# Altium PCB PCB_CAR.PcbDoc (part 1 of 3) (continued)
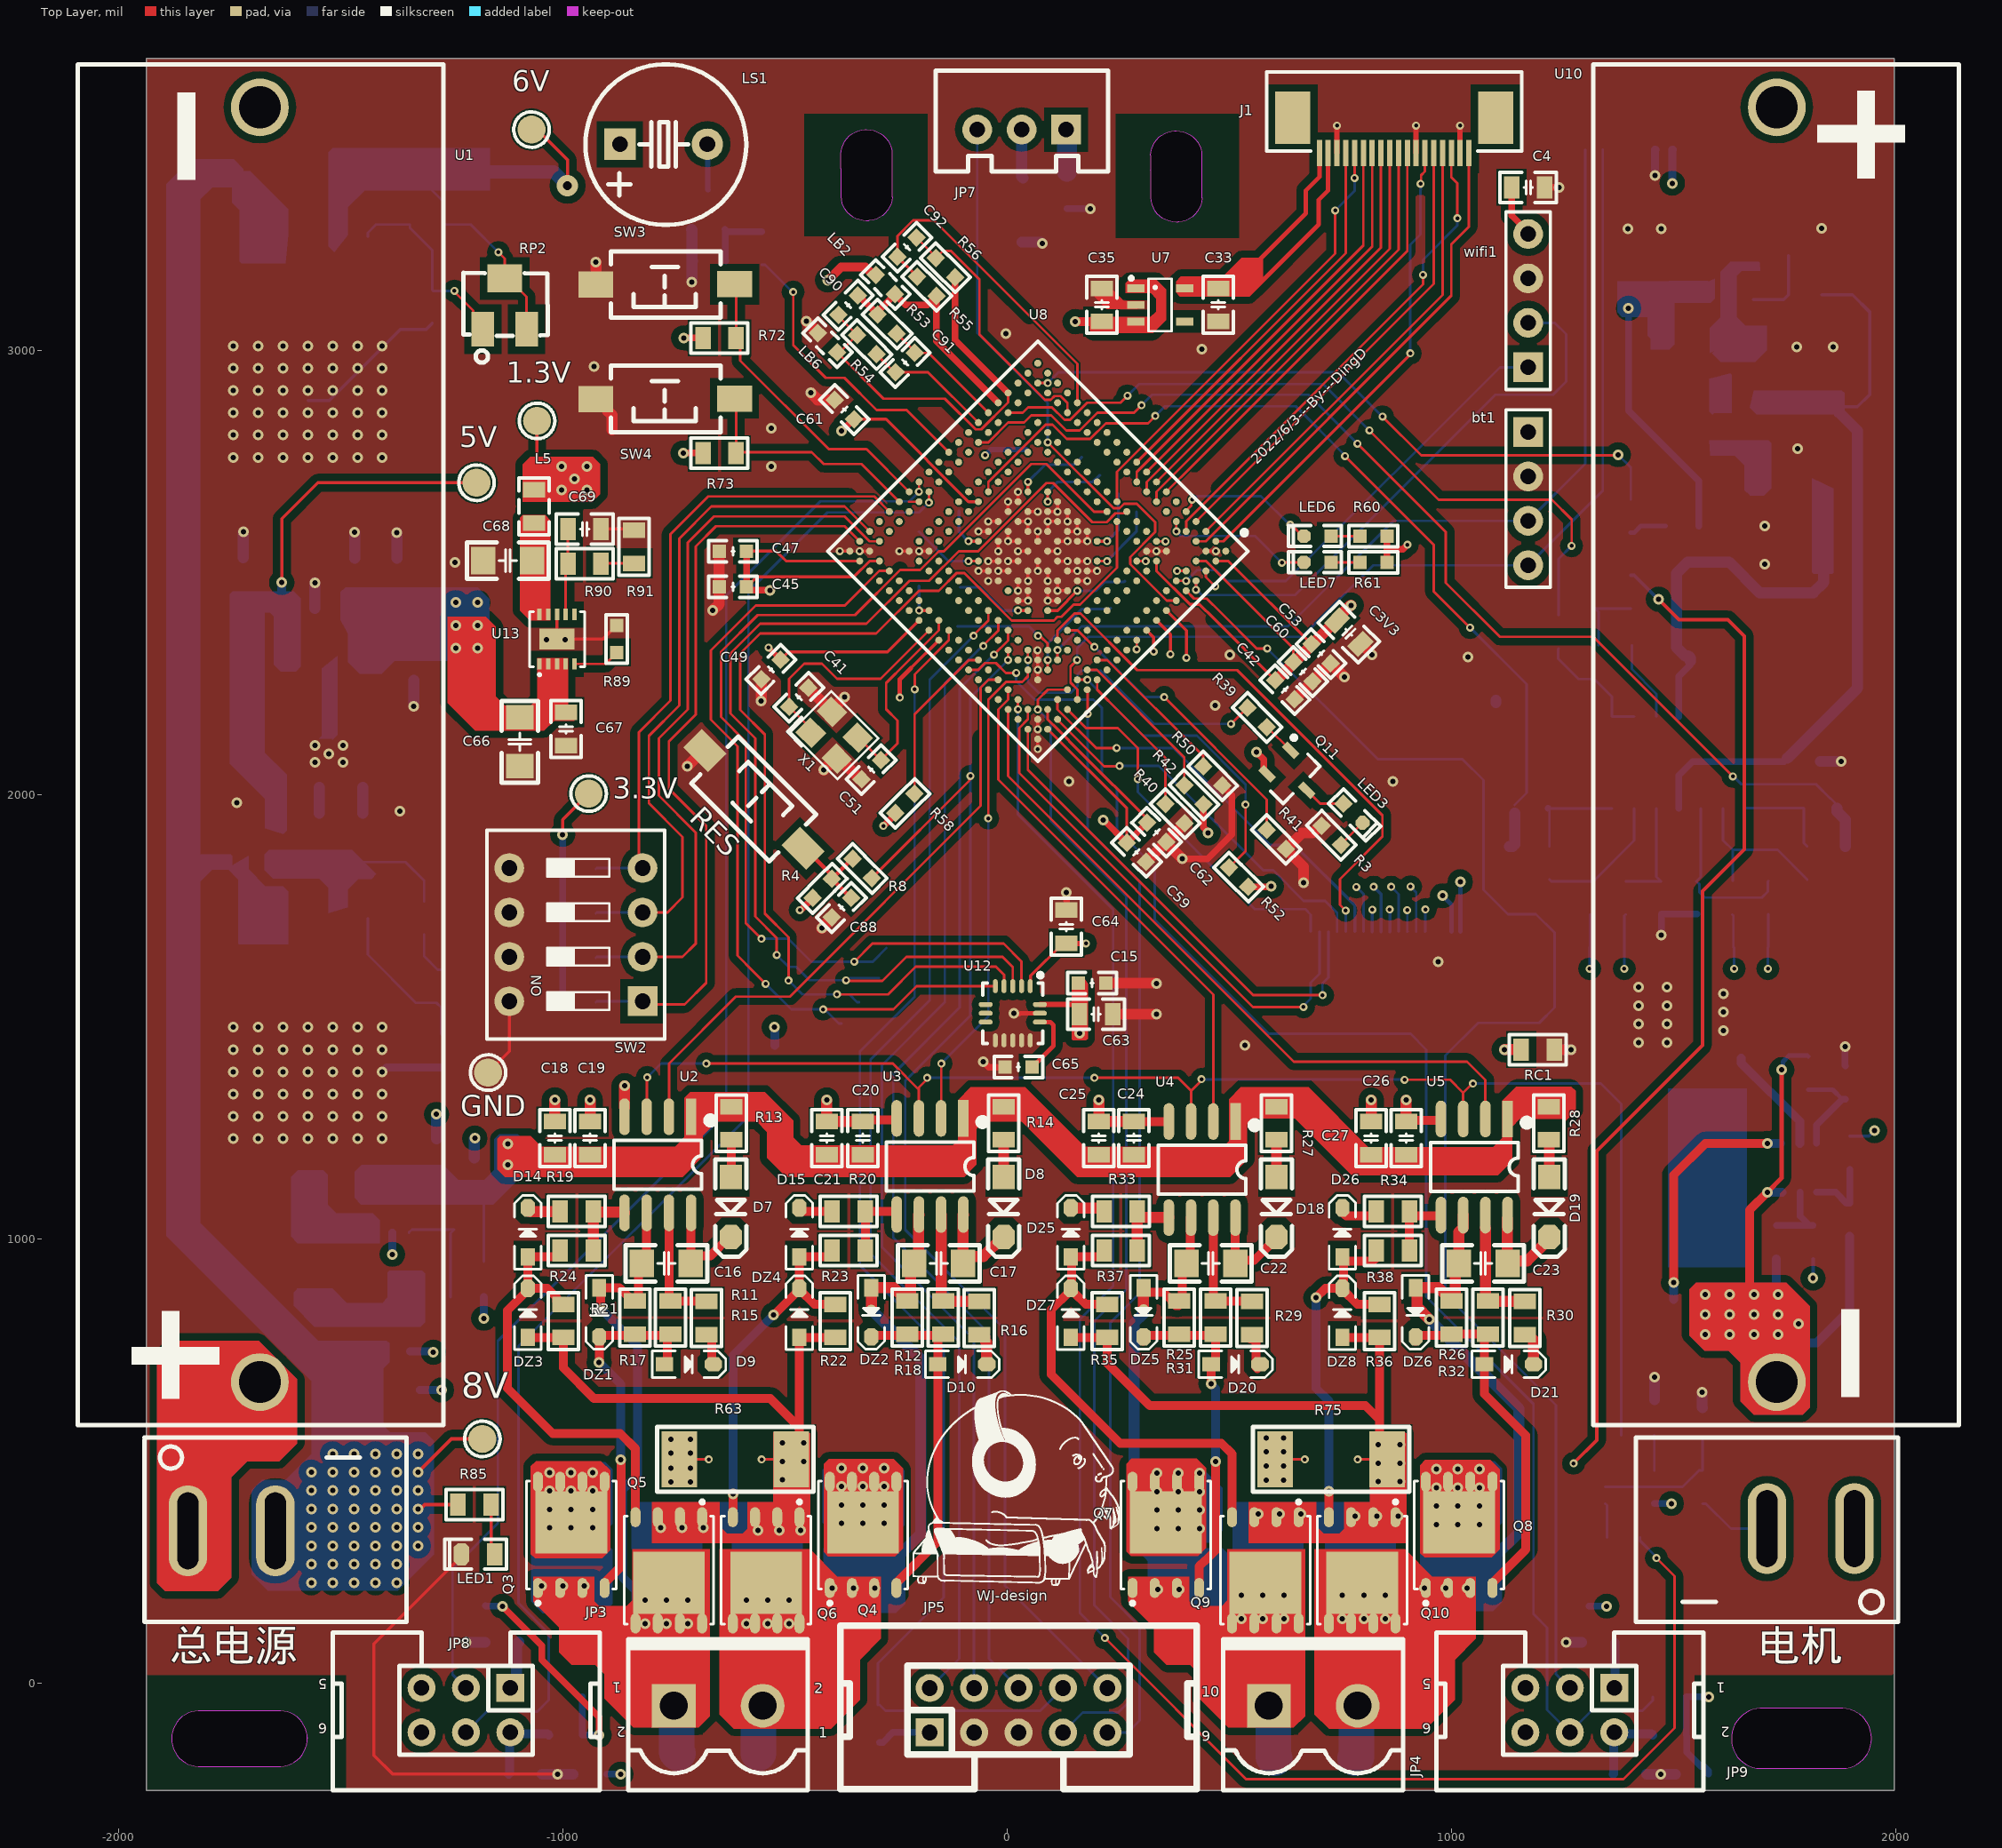
[diagram p0: Top Layer view]
## Components (designator, comment, footprint, x,y, rotation, side; value= is the part's Value field where it differs from the comment) (continued)
ADC "TEST" "TEST 1" 1482,2605.38 r90 bottom (schematic designator 6)
bt1 "HDR-1X4" HDR2.54-LI-4P 1172.24,2667 r270 top
C1 "104" "C 0805_L" 1731.04,992.85 r90 bottom
C2 "104" "C 0805_L" 1896,1043.6 r90 bottom
C3 "100NF" "C 0805_L" 1792.86,2074.97 r180 bottom
C3V3 "47UF" "C 0805_L" 768.45,2366.23 r135 top
C4 "100NF" "C 0805_L" 1172.24,3367.96 r0 top
C5 "22UF" "C 1206_L" -1662,3400.35 r180 bottom
C6 "22UF" "C 1206_L" -1491,3460.12 r90 bottom
C7 "100UF" "C 1210_L" -1357,3460 r270 bottom
C8 "0.1uf" "C 0805_L" 1805.15,2524.05 r180 bottom
C9 "10UF" "C 0805_L" -1733.6,1886 r270 bottom
C10 "22UF" "C 0805_L" 1804.14,2605.38 r180 bottom
C11 "1UF NP0" "C 0805_L" 1604.95,2818.21 r90 bottom
C12 "22UF" "C 0805_L" 1777.98,2911.38 r90 bottom
C13 "22UF" "C 1206_L" -1549.77,1903.88 r270 bottom
C14 "22UF" "C 1206_L" -1451.77,1903.88 r270 bottom
C15 "104" "C 0603_L" 190.58,1576 r0 top
C16 "1UF" "C 1206_L" -768,944.79 r0 top
C17 "1UF" "C 1206_L" -155,944.79 r0 top
C18 "22UF" "C 0805_L" -1019,1227 r270 top
C19 "100NF" "C 0805_L" -939.6,1227 r270 top
C20 "100NF" "C 0805_L" -326,1227 r270 top
C21 "22UF" "C 0805_L" -407,1227 r270 top
C22 "1UF" "C 1206_L" 458,944.79 r0 top
C23 "1UF" "C 1206_L" 1071,944.79 r0 top
C24 "22UF" "C 0805_L" 285,1227 r270 top
C25 "100NF" "C 0805_L" 206,1227 r270 top
C26 "100NF" "C 0805_L" 897.4,1227 r270 top
C27 "22UF" "C 0805_L" 819,1227 r270 top
C28 "22UF" "C 1206_L" -1285,1170.87 r90 bottom
C29 "0.1uf" "C 0805_L" -1200,1144.9 r90 bottom
C30 "10PF" "C 0603_L" -1214.84,1021.17 r180 bottom
C31 "22UF" "C 1206_L" -1377.57,660.03 r0 bottom
C32 "0.1UF" "C 0805_L" -1344.62,783.97 r270 bottom
C33 "1UF" "C 0805_L" 474.99,3103.14 r270 top
C34 "0.1uf" "C 0805_L" 1859.32,2911.38 r90 bottom
C35 "1UF" "C 0805_L" 212.07,3103.14 r90 top
C36 "22UF" "C 1206_L" -1719.89,2477.42 r270 bottom
C37 "100NF" "C 0805_L" -1596.48,2419.62 r180 bottom
C38 "100NF" "C 0805_L" -1336.53,2295.48 r90 bottom
C39 "22UF" "C 1206_L" -1374.51,2477.42 r270 bottom
C40 "22UF" "C 1206_L" -1469.59,2477.42 r270 bottom
C41 "20PF" "C 0603_L" -469.73,2219.71 r45 top
C42 "104" "C 0603_L" 624.55,2236.65 r315 top
C43 "104" "C 0603_L" -128.17,2445.56 r45 bottom
C44 "104" "C 0603_L" 312,2658.77 r225 bottom
C45 "104" "C 0603_L" -618.12,2468 r180 top
C46 "104" "C 0603_L" 294.45,2480.7 r180 bottom
C47 "104" "C 0603_L" -618.12,2548.7 r180 top
C48 "104" "C 0603_L" 262.45,2420.44 r180 bottom
C49 "104" "C 0603_L" -532.48,2282.46 r225 top
C50 "104" "C 0603_L" -133.79,2357.99 r45 bottom
C51 "20PF" "C 0603_L" -306.68,2056.65 r225 top
C52 "104" "C 0603_L" 229.9,2740.87 r225 bottom
C53 "104" "C 0603_L" 705.89,2317.99 r135 top
C54 "104" "C 0603_L" -229.58,2470.4 r0 bottom
C55 "104" "C 0603_L" 270.95,2699.82 r225 bottom
C56 "104" "C 0603_L" -87.61,2660.87 r225 bottom
C57 "104" "C 0603_L" -229.58,2592.5 r0 bottom
C58 "104" "C 0603_L" 188.85,2781.93 r225 bottom
C59 "104" "C 0603_L" 290.38,1870.62 r315 top
C60 "104" "C 0603_L" 665.28,2277.38 r135 top
C61 "2.2UF" "C 0603_L" -367.07,2867.46 r135 top
C62 "104" "C 0603_L" 335.77,1915.7 r315 top
C63 "2.2UF" "C 0805_L" 199.39,1506 r0 top
C64 "10NF" "C 0805_L" 132.99,1703.4 r270 top
C65 "104" "C 0603_L" 24.99,1387 r0 top
C66 "22UF" "C 1206_L" -1097.93,2119.53 r270 top
C67 "0.1uf" "C 0805_L" -993.8,2148.53 r270 top
C68 "22UF" "C 1206_L" -1125.07,2527.71 r180 top
C69 "0.47UF" "C 0805_L" -952.13,2598.73 r0 top
C70 "100NF" "C 0805_L" 1350.79,1657.81 r0 bottom
C71 "22UF" "C 0805_L" 1398.1,3176.67 r90 bottom
C72 "0.1UF" "C 0805_L" 1476.1,3176.67 r90 bottom
C73 "100NF" "C 0805_L" 1574.95,2300.78 r180 bottom
C74 "10NF" "C 0805_L" 1130,1846.86 r90 bottom
C75 "100NF" "C 0805_L" 1674.74,1657.81 r0 bottom
C76 "104" "C 0805_L" -1085.46,-205.13 r180 bottom
C77 "104" "C 0805_L" -940.06,-205.13 r0 bottom
C78 "10NF" "C 0805_L" 1886.72,1846.86 r90 bottom
C79 "100UF" "C 1210_L" -1218.47,3460 r270 bottom
C85 "104" "C 0805_L" 1401.09,-205.13 r180 bottom
C86 "104" "C 0805_L" 1541.09,-205.13 r0 bottom
C88 "104" "C 0603_L" -373.68,1746.29 r45 top
C90 "104" "C 0603_L" -358.63,3102.6 r45 top
C91 "104" "C 0603_L" -230.41,2973.41 r45 top
C92 "104" "C 0603_L" -226.22,3233.2 r225 top
C131 "47UF" "C 0805_L" 42.23,2814.99 r270 bottom
CN1 "WAFER-SH1.0-6PWB" SH-SMD_6P-P1.00 1393,3531.04 r0 bottom
CS "TEST" "TEST 0.8" -373.68,1485.32 r90 bottom (schematic designator 2)
D1 "SS34" SOD-123F 1763.9,2693.38 r180 bottom
D2 "SS34" SOD-123F 1765.9,2779.38 r0 bottom
D3 "SS34" SOD-123F 1689.32,2957.38 r270 bottom
D5 "SS34" SMA -327,330.45 r90 bottom
D6 "SS34" SMA -985,332 r90 bottom
D7 "SS14" SOD-123 -622.29,1071.87 r270 top
D8 "SS34" SOD-123 -8.2,1071.87 r270 top
D9 "1N4148" SOD-323 -717,718 r0 top
D10 "1N4148" SOD-323 -101.67,718 r0 top
D11 "SMBJ12" SMA -651,-169 r180 bottom
D12 "SS34" SMA -547,256 r270 bottom
D13 "SS34" SMA -764,256 r270 bottom
D14 "1N4148" SOD-323 -1079.7,1014.96 r90 top
D15 "1N4148" SOD-323 -468.46,1014.96 r90 top
D16 "SS34" SMA 1015,332 r90 bottom
D17 "SS34" SMA 359,330.45 r90 bottom
D18 "SS34" SOD-123 605.9,1071.87 r270 top
D19 "SS34" SOD-123 1220,1071.87 r270 top
D20 "1N4148" SOD-323 513.67,718 r0 top
D21 "1N4148" SOD-323 1129,718 r0 top
D22 "SMBJ12" SMA 692,-169 r180 bottom
D23 "SS34" SMA 797,256 r270 bottom
D24 "SS34" SMA 580,256 r270 bottom
D25 "1N4148" SOD-323 142.77,1014.96 r90 top
D26 "1N4148" SOD-323 754,1014.96 r90 top
D27 "SS14" SOD-123 -1499,1129 r0 bottom
D28 "SS14" SOD-123F 32,3316.97 r90 bottom
DZ1 "BZT52C18" SOD-323 -919,835 r270 top
DZ2 "BZT52C18" SOD-323 -306.33,835 r270 top
DZ3 "BZT52C18" SOD-323 -1079.7,834 r90 top
DZ4 "BZT52C18" SOD-323 -468.46,834 r90 top
DZ5 "BZT52C18" SOD-323 306.33,835 r270 top
DZ6 "BZT52C18" SOD-323 919,835 r270 top
DZ7 "BZT52C18" SOD-323 142.77,834 r90 top
DZ8 "BZT52C18" SOD-323 754,834 r90 top
GND "TEST" "TEST 0.8" -431.46,1435.77 r180 bottom (schematic designator 10)
GND "TEST" "TEST 1" 1630.43,2605.38 r90 bottom (schematic designator 8)
GND "TEST" "TEST 1.6" -1169.34,1374.74 r0 top
IC1 "SX1308" SOT23-6N -1384.62,958.97 r0 bottom
IC2 "TL084" SOP14_N 1511,2073 r90 bottom
IC3 "SX1308" SOT23-6N 1624.02,3152.38 r270 bottom
J1 "FPC05-18" FPC-05mm-18 863,3547 r0 top
J_UI "FPC05-18" FPC-05mm-18 843.41,1590.4 r0 bottom
JP3 "HDR-1X2" KF2EDGK5.08-LI-2P -651,-50.83 r0 top
JP4 "HDR-1X2" KF2EDGK5.08-LI-2P 688.55,-50.83 r0 top
JP5 "Header 5X2" IDC2.54-LI-2x5P -175,-111 r0 top
JP7 "HDR-1X3" XH2.54-LI-3P 32,3498 r180 top
JP8 "Header3X2" IDC2.54-LI-2x3P -1119,-10.83 r180 top
JP9 "Header3X2" IDC2.54-LI-2x3P 1366,-10.83 r180 top
L1 "4.7UF" L-SMD-0420 1540.53,2984.94 r180 bottom
L2 "4.7UF" L-SMD-0420 -1557,957 r270 bottom
L3 "10uH" "L 0805_L" -1421.39,783.93 r90 bottom
L5 "10uH" "L 0805_L" -1066.07,2649.45 r90 top
L6 "10uH" "L 0805_L" 134.28,3357.46 r90 bottom
L7 "10uH" "L 0805_L" -1138,92 r0 bottom
L8 "10uH" "L 0805_L" 1330,92 r0 bottom
LB2 "500R@100MHz" "FB 0603_L" -274.82,3149.05 r315 top
LB3 "500R@100MHz" "FB 0805_L" -995,-116.83 r0 bottom
LB4 "600R@1KHZ" "L 0805_L" -1647.54,1886 r270 bottom
LB5 "500R@100MHz" "FB 0805_L" 1490.55,-116.83 r0 bottom
LB6 "500R@100MHz" "FB 0603_L" -405.07,3017.95 r135 top
LED1 "红色" "LED 0805B" -1191.8,290.05 r180 top
LED3 "红色" "LED 0603Y" 777.8,1958.63 r315 top
LED6 "红色" "LED 0603Y" 697.89,2582.68 r180 top
LED7 "红色" "LED 0603Y" 697.89,2523.75 r180 top
LS1 "DC5V" "BEEP 5x9x5.5" -774,3465 r270 top
MISO "TEST" "TEST 0.8" -334.22,1533.26 r90 bottom (schematic designator 5)
MOSI "TEST" "TEST 0.8" -289.43,1587.86 r90 bottom (schematic designator 3)
Q1 "IRFH7440TRPBF" PQFN-8P_L5.8-W4.9-P1.27-LS6.0-BL 1575.35,1012.31 r180 bottom
Q2 "IRFH7440TRPBF" PQFN-8P_L5.8-W4.9-P1.27-LS6.0-BL 1576.69,1258.94 r0 bottom
Q3 "IRFH7440TRPBF" PQFN-8P_L5.8-W4.9-P1.27-LS6.0-BL -982.31,362.31 r0 top
Q4 "IRFH7440TRPBF" PQFN-8P_L5.8-W4.9-P1.27-LS6.0-BL -325.31,362.31 r0 top
Q5 "IRFH7440TRPBF" PQFN-8P_L5.8-W4.9-P1.27-LS6.0-BL -761.92,225.62 r180 top
Q6 "IRFH7440TRPBF" PQFN-8P_L5.8-W4.9-P1.27-LS6.0-BL -542.92,225.62 r180 top
Q7 "IRFH7440TRPBF" PQFN-8P_L5.8-W4.9-P1.27-LS6.0-BL 356.35,362.31 r0 top
Q8 "IRFH7440TRPBF" PQFN-8P_L5.8-W4.9-P1.27-LS6.0-BL 1016.69,362.31 r0 top
Q9 "IRFH7440TRPBF" PQFN-8P_L5.8-W4.9-P1.27-LS6.0-BL 580.81,225.62 r180 top
Q10 "IRFH7440TRPBF" PQFN-8P_L5.8-W4.9-P1.27-LS6.0-BL 798.95,225.62 r180 top
Q11 "MMBT5401-C8326" SOT23-3L 642.76,2041.76 r225 top
Q12 "MMBT5551" SOT23-3L -674,3318 r180 bottom
R1 "10K" "R 0805_L" 1403.5,2456.99 r270 bottom
R2 "330R" "R 0805_L" 1813.37,992.85 r270 bottom
R3 "1K" "R 0603_L" 729.24,1909.1 r315 top
R4 "10K" "R 0603_L" -416.81,1789.42 r225 top
R5 "10K" "R 0805_L" 1368.1,2337 r180 bottom
R6 "100R" "R 0805_L" 1240.97,2367 r270 bottom
R7 "10K" "R 0805_L" 1323.1,2456.99 r90 bottom
R8 "500R" "R 0603_L" -326.8,1834.34 r315 top
R9 "330R" "R 0805_L" 1896,1194.4 r90 bottom
R10 "1K" "R 0805_L" 1886.72,1352.05 r90 bottom
R11 "10R" "R 0805_L" -758.5,823 r270 top
R12 "10R" "R 0805_L" -144.95,823 r270 top
R13 "2.2R" "R 0805_L" -621.87,1260.66 r270 top
R14 "2.2R" "R 0805_L" -8.25,1260.66 r270 top
R15 "5.1R" "R 0805_L" -678,822 r270 top
R16 "5.1R" "R 0805_L" -63.9,822 r270 top
R17 "20K" "R 0805_L" -839,823 r270 top
R18 "20K" "R 0805_L" -226,823 r270 top
R19 "5.1R" "R 0805_L" -969.6,1062 r180 top
R20 "5.1R" "R 0805_L" -357.27,1062 r180 top
R21 "20K" "R 0805_L" -1000,815.5 r90 top
R22 "20K" "R 0805_L" -387.53,815.5 r90 top
R23 "10R" "R 0805_L" -357.27,974 r180 top
R24 "10R" "R 0805_L" -969.6,974 r180 top
R25 "10R" "R 0805_L" 468.6,823 r270 top
R26 "10R" "R 0805_L" 1082.16,823 r270 top
R27 "2.2R" "R 0805_L" 605.38,1260.66 r270 top
R28 "2.2R" "R 0805_L" 1219,1260.66 r270 top
R29 "5.1R" "R 0805_L" 550.21,822 r270 top
R30 "5.1R" "R 0805_L" 1164.31,822 r270 top
R31 "20K" "R 0805_L" 387,823 r270 top
R32 "20K" "R 0805_L" 1000,823 r270 top
R33 "5.1R" "R 0805_L" 255.06,1062 r180 top
R34 "5.1R" "R 0805_L" 867.4,1062 r180 top
R35 "20K" "R 0805_L" 224.93,815.5 r90 top
R36 "20K" "R 0805_L" 837.4,815.5 r90 top
R37 "10R" "R 0805_L" 255.06,974 r180 top
R38 "10R" "R 0805_L" 867.4,974 r180 top
R39 "10K" "R 0603_L" 562.16,2174.26 r135 top
R40 "10K" "R 0603_L" 377.41,1957.75 r315 top
R41 "10K" "R 0603_L" 605.3,1899.57 r315 top
R42 "10K" "R 0603_L" 419.84,2000.18 r315 top
R43 "47K" "R 0805_L" -1216.05,949.03 r180 bottom
R44 "2K" "R 0805_L" -1216.05,868.97 r0 bottom
R45 "1K" "R 0805_L" 1387,328 r0 bottom
R46 "1K" "R 0805_L" 1418.97,558.29 r180 bottom
R47 "10K" "R 0805_L" 1418.97,638.29 r0 bottom
R48 "1K" "R 0805_L" 1564.75,441.69 r270 bottom
R49 "10K" "R 0805_L" -288,-96.22 r270 bottom
R50 "10K" "R 0603_L" 462.26,2042.6 r315 top
R51 "50K" "R 0805_L" 1471.9,1769 r90 bottom
R52 "10K" "R 0603_L" 520.45,1814.72 r315 top
R53 "0R" "R 0603_L" -270.72,3060.04 r315 top
R54 "0R" "R 0603_L" -316.61,3013.78 r135 top
R55 "0R" "R 0603_L" -181.45,3145.17 r135 top
R56 "0R" "R 0603_L" -139.62,3187.01 r315 top
R57 "1K" "R 0805_L" 1391.53,1769 r270 bottom
R58 "10K" "R 0603_L" -230.73,1980.71 r225 top
R59 "20K" "R 0805_L" 1564.75,583 r90 bottom
R60 "1K" "R 0603_L" 823.89,2582.3 r0 top
R61 "1K" "R 0603_L" 823.89,2523.37 r0 top
R62 "100R" "R 0805_L" 1179.41,1970 r0 bottom
R63 "10mR" "R 2512_M" -613,504 r0 top
R64 "1K" "R 0805_L" 1311.74,1768.16 r270 bottom
R65 "50K" "R 0805_L" 1220.26,1846.86 r270 bottom
R66 "10K" "R 0805_L" -963.8,1533.26 r0 bottom
R67 "10K" "R 0805_L" -963.8,1633.26 r0 bottom
R68 "10K" "R 0805_L" -963.8,1733.26 r0 bottom
R69 "10K" "R 0805_L" -963.8,1833.26 r0 bottom
R70 "50K" "R 0805_L" 1552.27,1769 r90 bottom
R71 "1K" "R 0805_L" 1713,1769 r270 bottom
R72 "10K" "R 0805_L" -648.18,3028.93 r0 top
R73 "10K" "R 0805_L" -648.18,2769.26 r0 top
R74 "100R" "R 0805_L" 1830.26,1970 r180 bottom
R75 "10mR" "R 2512_M" 729,504 r0 top
R76 "1K" "R 0805_L" 1632.63,1769 r270 bottom
R77 "50K" "R 0805_L" 1800.26,1846.86 r270 bottom
R78 "1K" "R 0805_L" -553,3231 r270 bottom
R79 "10K" "R 0805_L" -672,3202 r180 bottom
R80 "0R" "R 0805_L" 1803.11,1373.51 r270 bottom
R81 "10K" "R 0805_L" -1212,173.38 r0 bottom
R82 "10K" "R 0805_L" -995,-30.83 r0 bottom
R83 "10K" "R 0805_L" 1272.16,173.38 r0 bottom
R84 "10K" "R 0805_L" 1490.55,-30.83 r0 bottom
R85 "1K" "R 0805_L" -1200,402.07 r180 top
R86 "30K" "R 0805_L" 1795.9,3126.38 r180 bottom
R87 "2K" "R 0805_L" 1795.9,3214.06 r0 bottom
R88 "100R" "R 0805_L" 1403.17,2627.49 r90 bottom
R89 "200K/0R" "R 0603_L" -879.59,2351.03 r90 top
R90 "12K" "R 0805_L" -952.13,2520.13 r0 top
R91 "500R" "R 0805_L" -840.31,2558.8 r90 top
RC1 "0R" "R 0805_L" 1194.12,1426.45 r180 top
RC2 "0R" "R 0805_L" 1194.31,1426.45 r180 bottom
RES "3x6x5" "TSW SMD-3*6*2.5" -569.45,1989.2 r315 top
RP2 "50k" RES-ADJ-SMD_3224W -1131,3101 r0 top
RSH1 "3K" "R 0805_L" -1313.42,1722.52 r270 bottom
RSH2 "1K" "R 0805_L" -1275,1423.71 r270 bottom
RSH5 "130R" "R 0805_L" -1275,1569.17 r270 bottom
RSH6 "2K" "R 0805_L" -1295,3099 r270 bottom
RSL1 "15K" "R 0805_L" -1308,3284 r180 bottom
SCLK "TEST" "TEST 0.8" -272.38,1655.15 r90 bottom (schematic designator 4)
SW2 "CSW-4P" "CSW DIP-4P" -971.42,1685.37 r90 top
SW3 "3x6x5" "TSW SMD-3*6*2.5" -771.58,3149.05 r180 top
SW4 "3x6x5" "TSW SMD-3*6*2.5" -771.58,2891.26 r180 top
U1 "18650 电池盒 插件 1节" BAT-TH_18650-C9900004923 -1694.61,2126.46 r90 top locked
U2 "IR2104" SOP8_M -787,1167 r270 top
U3 "IR2104" SOP8_M -174.33,1163.39 r270 top
U4 "IR2104" SOP8_M 438.33,1156.39 r270 top
U5 "IR2104" SOP8_M 1051,1162 r270 top
U6 "SN74AHC1G08DBVRG4" SOT23-5L 1401.09,441.69 r90 bottom
U7 "LP5907MFX-3.3/NOPB" SOT23-5L 343.87,3103.14 r270 top
U8 "SAL-TC377TP-96F300S AA" BGA292C80P20X20 68.28,2548.7 r225 top
U9 "TC2120-CB" SOT23-6L 1784.04,1160.25 r0 bottom
U10 "18650 电池盒 插件 1节" BAT-TH_18650-C9900004923 1743.61,2099.46 r270 top locked
U11 "LT1963EQ#PBF" DD-PAK-5-leda -1580.5,1431.92 r90 bottom
U12 "ICM-20602" LGA-16_L3.0-W3.0-P0.50-BL 12.57,1500.86 r180 top
U13 "LT3045EDD#PBF_C666574" LT3045EDD#PBF -1016.41,2351.03 r270 top
U14 "LT1963EQ#PBF" DD-PAK-5-leda -1580.5,2966 r90 bottom
V1 "LT1963-3.3V" SOT223_L -1525.53,2207.69 r270 bottom
wifi1 "HDR-1X4" HDR2.54-LI-4P 1172.24,3112.84 r90 top
X1 "20M" "OSC 3225-4P" -389.67,2134.37 r315 top
总电源 "6x6x5" KEY-TH_CN-KCD11 -1708.15,343 r0 top
电机 "6x6x5" KEY-TH_CN-KCD11 1770,348 r180 top

## Footprints (in the part's own frame and the unit in brackets; to place one, negate y for a bottom-side part, rotate by r counter-clockwise, add the part's x,y. Pads: shape width x height; smd on the part's side, far side on the other; paste and mask are expansions set on the pad)
BAT-TH_18650-C9900004923 [mm]
  round 3.3 hole 2.4: 1(-36.793,-0.295) 2(36.107,-0.295)
  silkscreen extent -39.24,-10.8 38.56,10.11
"BEEP 5x9x5.5" [mm] "5*9*5.5mm(脚距,直径,高度)"
  rect 1.8x1.8 hole 0.9: 1(0,-2.5)
  round 1.8 hole 0.9: 2(0,2.5)
  silkscreen extent -4.57,-4.47 4.62,4.73, body extent -4.5,-4.5 4.5,4.5, height 5.45
BGA292C80P20X20 [mm] "BGA,0.80mm pitch,square;292 pin,20 columns X 20 rows,17.00mm X 17.00mm X 1.70mm H"
  round 0.4 smd paste+0 mask+0: A1(-7.6,7.6) A2(-6.8,7.6) A3(-6,7.6) A4(-5.2,7.6) A5(-4.4,7.6) A6(-3.6,7.6) A7(-2.8,7.6) A8(-2,7.6) A9(-1.2,7.6) A10(-0.4,7.6) A11(0.4,7.6) A12(1.2,7.6) A13(2,7.6) A14(2.8,7.6) A15(3.6,7.6) A16(4.4,7.6) A17(5.2,7.6) A18(6,7.6) A19(6.8,7.6) A20(7.6,7.6) B1(-7.6,6.8) B2(-6.8,6.8) B3(-6,6.8) B4(-5.2,6.8) B5(-4.4,6.8) B6(-3.6,6.8) B7(-2.8,6.8) B8(-2,6.8) B9(-1.2,6.8) B10(-0.4,6.8) B11(0.4,6.8) B12(1.2,6.8) B13(2,6.8) B14(2.8,6.8) B15(3.6,6.8) B16(4.4,6.8) B17(5.2,6.8) B18(6,6.8) B19(6.8,6.8) B20(7.6,6.8) C1(-7.6,6) C2(-6.8,6) C19(6.8,6) C20(7.6,6) D1(-7.6,5.2) D2(-6.8,5.2) D4(-5.2,5.2) D5(-4.4,5.2) D6(-3.6,5.2) D7(-2.8,5.2) D8(-2,5.2) D9(-1.2,5.2) D10(-0.4,5.2) D11(0.4,5.2) D12(1.2,5.2) D13(2,5.2) D14(2.8,5.2) D15(3.6,5.2) D16(4.4,5.2) D17(5.2,5.2) D19(6.8,5.2) D20(7.6,5.2) E1(-7.6,4.4) E2(-6.8,4.4) E4(-5.2,4.4) E5(-4.4,4.4) E6(-3.6,4.4) E7(-2.8,4.4) E8(-2,4.4) E9(-1.2,4.4) E10(-0.4,4.4) E11(0.4,4.4) E12(1.2,4.4) E13(2,4.4) E14(2.8,4.4) E15(3.6,4.4) E16(4.4,4.4) E17(5.2,4.4) E19(6.8,4.4) E20(7.6,4.4) F1(-7.6,3.6) F2(-6.8,3.6) F4(-5.2,3.6) F5(-4.4,3.6) F16(4.4,3.6) F17(5.2,3.6) F19(6.8,3.6) F20(7.6,3.6) G1(-7.6,2.8) G2(-6.8,2.8) G4(-5.2,2.8) G5(-4.4,2.8) G8(-2,2.8) G9(-1.2,2.8) G10(-0.4,2.8) G11(0.4,2.8) G12(1.2,2.8) G13(2,2.8) G16(4.4,2.8) G17(5.2,2.8) G19(6.8,2.8) G20(7.6,2.8) H1(-7.6,2) H2(-6.8,2) H4(-5.2,2) H5(-4.4,2) H7(-2.8,2) H9(-1.2,2) H10(-0.4,2) H11(0.4,2) H12(1.2,2) H14(2.8,2) H16(4.4,2) H17(5.2,2) H19(6.8,2) H20(7.6,2) J1(-7.6,1.2) J2(-6.8,1.2) J4(-5.2,1.2) J5(-4.4,1.2) J7(-2.8,1.2) J8(-2,1.2) J10(-0.4,1.2) J11(0.4,1.2) J13(2,1.2) J14(2.8,1.2) J16(4.4,1.2) J17(5.2,1.2) J19(6.8,1.2) J20(7.6,1.2) K1(-7.6,0.4) K2(-6.8,0.4) K4(-5.2,0.4) K5(-4.4,0.4) K7(-2.8,0.4) K8(-2,0.4) K9(-1.2,0.4) K10(-0.4,0.4) K11(0.4,0.4) K12(1.2,0.4) K13(2,0.4) K14(2.8,0.4) K16(4.4,0.4) K17(5.2,0.4) K19(6.8,0.4) K20(7.6,0.4) L1(-7.6,-0.4) L2(-6.8,-0.4) L4(-5.2,-0.4) L5(-4.4,-0.4) L7(-2.8,-0.4) L8(-2,-0.4) L9(-1.2,-0.4) L10(-0.4,-0.4) L11(0.4,-0.4) L12(1.2,-0.4) L13(2,-0.4) L14(2.8,-0.4) L16(4.4,-0.4) L17(5.2,-0.4) L19(6.8,-0.4) L20(7.6,-0.4) M1(-7.6,-1.2) M2(-6.8,-1.2) M4(-5.2,-1.2) M5(-4.4,-1.2) M7(-2.8,-1.2) M8(-2,-1.2) M10(-0.4,-1.2) M11(0.4,-1.2) M13(2,-1.2) M14(2.8,-1.2) M16(4.4,-1.2) M17(5.2,-1.2) M19(6.8,-1.2) M20(7.6,-1.2) N1(-7.6,-2) N2(-6.8,-2) N4(-5.2,-2) N5(-4.4,-2) N7(-2.8,-2) N9(-1.2,-2) N10(-0.4,-2) N11(0.4,-2) N12(1.2,-2) N14(2.8,-2) N16(4.4,-2) N17(5.2,-2) N19(6.8,-2) N20(7.6,-2) P1(-7.6,-2.8) P2(-6.8,-2.8) P4(-5.2,-2.8) P5(-4.4,-2.8) P8(-2,-2.8) P9(-1.2,-2.8) P10(-0.4,-2.8) P11(0.4,-2.8) P12(1.2,-2.8) P13(2,-2.8) P16(4.4,-2.8) P17(5.2,-2.8) P19(6.8,-2.8) P20(7.6,-2.8) R1(-7.6,-3.6) R2(-6.8,-3.6) R4(-5.2,-3.6) R5(-4.4,-3.6) R16(4.4,-3.6) R17(5.2,-3.6) R19(6.8,-3.6) R20(7.6,-3.6) T1(-7.6,-4.4) T2(-6.8,-4.4) T4(-5.2,-4.4) T5(-4.4,-4.4) T6(-3.6,-4.4) T7(-2.8,-4.4) T8(-2,-4.4) T9(-1.2,-4.4) T10(-0.4,-4.4) T11(0.4,-4.4) T12(1.2,-4.4) T13(2,-4.4) T14(2.8,-4.4) T15(3.6,-4.4) T16(4.4,-4.4) T17(5.2,-4.4) T19(6.8,-4.4) T20(7.6,-4.4) U1(-7.6,-5.2) U2(-6.8,-5.2) U4(-5.2,-5.2) U5(-4.4,-5.2) U6(-3.6,-5.2) U7(-2.8,-5.2) U8(-2,-5.2) U9(-1.2,-5.2) U10(-0.4,-5.2) U11(0.4,-5.2) U12(1.2,-5.2) U13(2,-5.2) U14(2.8,-5.2) U15(3.6,-5.2) U16(4.4,-5.2) U17(5.2,-5.2) U19(6.8,-5.2) U20(7.6,-5.2) V1(-7.6,-6) V2(-6.8,-6) V19(6.8,-6) V20(7.6,-6) W1(-7.6,-6.8) W2(-6.8,-6.8) W3(-6,-6.8) W4(-5.2,-6.8) W5(-4.4,-6.8) W6(-3.6,-6.8) W7(-2.8,-6.8) W8(-2,-6.8) W9(-1.2,-6.8) W10(-0.4,-6.8) W11(0.4,-6.8) W12(1.2,-6.8) W13(2,-6.8) W14(2.8,-6.8) W15(3.6,-6.8) W16(4.4,-6.8) W17(5.2,-6.8) W18(6,-6.8) W19(6.8,-6.8) W20(7.6,-6.8) Y1(-7.6,-7.6) Y2(-6.8,-7.6) Y3(-6,-7.6) Y4(-5.2,-7.6) Y5(-4.4,-7.6) Y6(-3.6,-7.6) Y7(-2.8,-7.6) Y8(-2,-7.6) Y9(-1.2,-7.6) Y10(-0.4,-7.6) Y11(0.4,-7.6) Y12(1.2,-7.6) Y13(2,-7.6) Y14(2.8,-7.6) Y15(3.6,-7.6) Y16(4.4,-7.6) Y17(5.2,-7.6) Y18(6,-7.6) Y19(6.8,-7.6) Y20(7.6,-7.6)